# Altium PCB Fujin_Body.PcbDoc (part 2 of 2)
Units mm, origin at the board's own origin, x right, y up, seen from the top; angles counter-clockwise.
Board outline 80 x 120 mm, 2 copper layers (Top Layer, Bottom Layer), stack 1.095 mm thick; 108 components, 87 nets, 400 pads, 139 vias.
Unrouted connection lines stored in the file: 10.
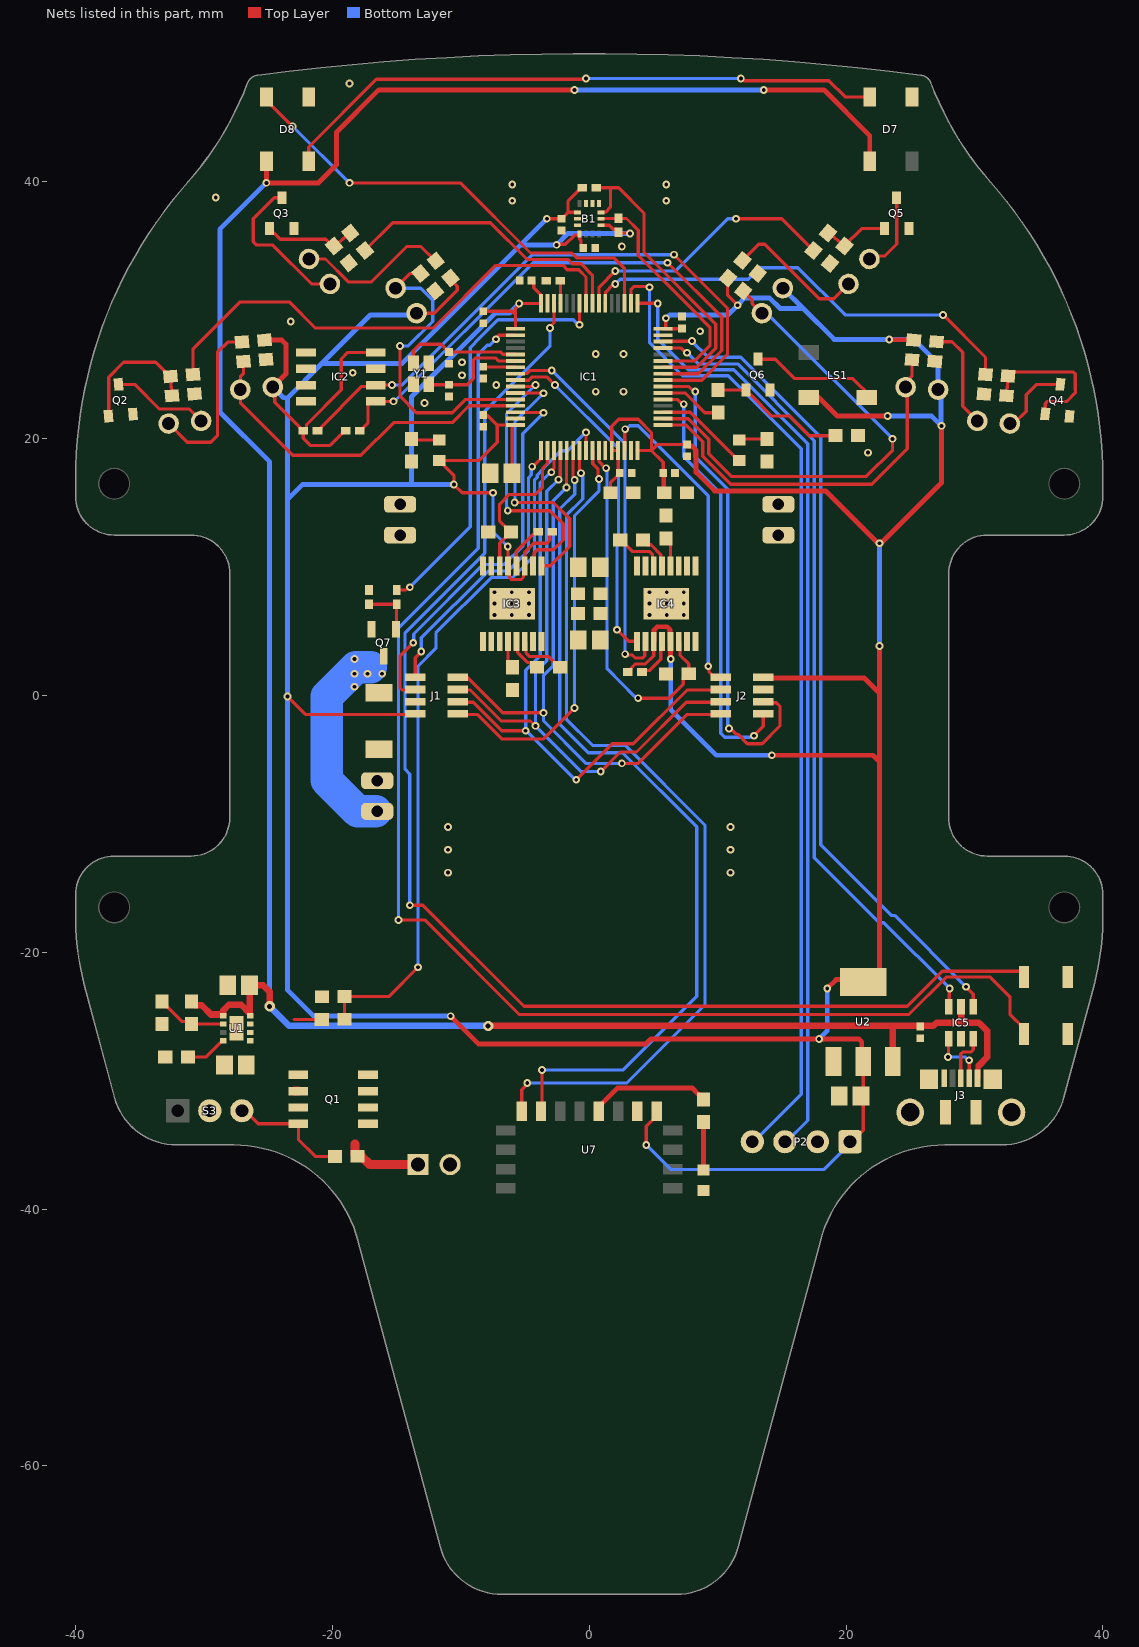
[diagram p2: the nets of this part, all layers, seen from the top]

## Via types
v1: diameter 0.6, hole 0.3, Top Layer to Bottom Layer, tented both sides, 137 vias
v2: diameter 0.8, hole 0.4, Top Layer to Bottom Layer, tented both sides, 2 vias

## Nets (pads, with @x,y where several pads share a name; then routed paths per layer and width w, separated by ;. In a path a pad name is that pad's centre, name@x,y a point inside that pad or via, vN(x,y) a via of type N, cw(c..) or ccw(c..) an arc to the next point about the centre after c; other vN are vias at no path point)
3V3: B1.5 B1.8 B1.12 C3.2 C7.2 C8.2 C9.2 C10.2 C11.2 C12.2 C13.2 C14.2 C15.2 C16.2 C18.2 C19.2 D2.1 IC1.1 IC1.16 IC1.28 IC1.29 IC1.32 IC1.48 IC1.64 IC2.8 IC3.3 IC3.5 IC4.3 IC4.5 J1.5 J2.5 LS1.1 P2.1 R9.2 R10.2 R11.2 R12.2 R27.2 R28.2 R30.2 R31.2 R32.2 R34.2 U2.2 U3.2 U4.2 U5.2 U6.2 U7.8 | length 468.8
  Top Layer w0.254: U3.2@-24.642,24.028 -24.488,23.873 -24.488,22.847 -22.515,20.874 -22.515,20.799 -22.342,20.626 R30.2@-22.267,20.626 ; v1(-23.495,-0.075) -22.103,-1.467 J1.5@-13.55,-1.467 ; R31.2@-18.965,20.626 -19.04,20.626 -20.183,19.483 -21.717,19.483 -22.267,20.033 R30.2@-22.267,20.626 ; IC2.8@-17.227,26.722 -18.796,26.722 -19.304,26.214 -19.304,23.801 -22.02,21.085 -22.02,20.799 -22.193,20.626 R30.2@-22.267,20.626 ; U4.2@-13.448,29.781 -12.071,29.781 -10.287,31.566 -10.287,31.875 -10.859,32.446 R10.2@-10.859,32.518 ; D2.1@-11.684,18.302 D2.1@-11.634,18.302 ; C14.2@-8.255,21.848 -7.953,21.848 -7.172,21.067 ; C7.2@-8.255,29.928 -6.023,29.928 -5.738,29.643 ; v1(-7.493,15.8) -9.906,15.8 v1(-10.541,16.435) -10.541,17.159 -10.736,17.353 -11.336,17.954 -11.336,18.004 D2.1@-11.634,18.302 ; v1(-6.345,11.609) -6.335,11.599 -6.335,10.112 IC3.5@-6.325,10.102 -6.23,10.007 -6.23,9.228 -6.037,9.034 -5.313,9.034 -5.12,9.228 -5.12,10.007 IC3.3@-5.025,10.102 -5.025,11.156 -4.318,11.863 -3.302,11.863 -3.094,12.071 -3.094,12.579 -2.921,12.752 R32.2@-2.879,12.752 ; C12.2@-6.008,17.324 IC1.16@-6.008,21.044 ; IC1.16@-5.738,21.067 -7.172,21.067 ; IC1.1@-5.738,28.567 -5.738,29.643 ; C15.2@-4.349,32.31 -4.313,32.274 -4.313,31.768 -3.773,31.227 -3.773,30.578 IC1.64@-3.75,30.555 -3.773,30.532 v1(-5.461,30.532) -5.461,30.438 -5.738,30.161 -5.738,29.643 ; v1(-3.302,37.136) C19.2@-2.159,37.136 -2.149,37.136 -1.649,37.636 ; v1(-2.54,35.104) -2.494,35.15 -1.859,35.15 -1.143,35.866 -0.773,35.866 -0.73,35.823 -0.73,35.524 -0.633,35.427 -0.633,35.023 C18.2@-0.46,34.85 ; B1.5@-0.9,37.636 -1.649,37.636 ; R27.2@-0.55,39.549 -0.625,39.549 -1.649,38.525 -1.649,37.636 ; B1.12@0.9,36.636 1.556,36.636 1.866,36.326 2.113,36.326 2.286,36.153 R28.2@2.286,36.078 2.329,36.035 3.131,36.035 v1(3.174,35.992) ; C8.2@1.651,15.8 1.651,16.593 1.84,16.782 1.85,16.782 2.382,17.314 C9.2@2.382,17.324 2.27,17.436 2.27,19.059 IC1.29@2.25,19.079 IC1.28@1.75,19.079 1.75,20.979 2.286,21.515 3.81,21.515 4.849,20.476 4.849,19.079 ; R34.2@3.006,1.83 3.081,1.83 3.254,2.003 3.254,2.12 3.594,2.46 4.378,2.46 5.025,3.107 IC4.3@5.025,4.226 ; IC1.32@3.75,19.079 4.849,19.079 ; v1(4.445,-35) 4.445,-33.548 5.25,-32.743 U7.8@5.25,-32.381 ; IC1.48@5.738,28.567 IC1.48@5.946,28.567 ; C11.2@5.763,17.324 5.763,18.165 4.849,19.079 ; v1(5.969,29.389) 5.969,28.59 IC1.48@5.946,28.567 ; C13.2@7.354,28.567 IC1.48@5.946,28.567 ; C16.2@7.62,19.562 5.332,19.562 4.849,19.079 ; R12.2@10.809,32.518 10.776,32.486 10.776,31.186 v1(11.557,30.405) ; P2.1@20.32,-34.873 21.336,-33.857 21.336,-29.488 U2.2@21.527,-29.298 ; D2.1@-11.634,18.302 -8.597,18.302 -7.172,19.727 -7.172,21.067
  Top Layer w0.381: R9.2@-25.276,27.681 -23.933,27.681 -23.622,27.37 -23.622,25.048 U3.2@-24.642,24.028 ; v1(-10.795,-24.967) -8.636,-27.126 4.415,-27.126 4.796,-26.745 v1(17.907,-26.745) 21.005,-26.745 21.228,-26.968 21.228,-28.39 U2.2@21.336,-28.498 ; IC4.3@5.025,4.226 5.056,4.257 5.056,5.127 5.287,5.357 6.063,5.357 6.294,5.127 6.294,4.257 IC4.5@6.325,4.226 6.338,4.213 6.338,2.858 v1(6.35,2.846) ; C11.2@5.763,17.324 5.803,17.284 5.803,15.966 C10.2@5.842,15.927 ; C16.2@7.62,19.562 7.729,19.452 7.976,19.452 8.324,19.105 8.324,17.382 9.764,15.942 18.4,15.942 22.606,11.736 27.432,16.562 v1(27.432,21.007) ; J2.5@13.55,1.383 21.402,1.383 22.606,0.179 ; v1(14.224,-4.647) 22.098,-4.647 22.606,-5.155 ; LS1.1@17.689,23.217 17.889,23.217 19.337,21.769 v1(23.241,21.769) ; v1(18.542,-22.808) 19.228,-22.122 22.606,-22.122 22.606,-5.155 ; v1(22.606,3.862) 22.606,0.179 ; v1(23.368,27.738) 23.395,27.711 25.245,27.711 R11.2@25.276,27.681 ; 22.606,-5.155 22.606,0.179
  Bottom Layer w0.254: v1(-7.493,15.8) -7.493,12.757 v1(-6.345,11.609) ; v1(4.445,-35) 6.35,-36.905 18.288,-36.905 P2.1@20.32,-34.873
  Bottom Layer w0.381: U3.2@-24.642,24.028 -23.81,23.196 -23.495,23.196 ; U4.2@-13.448,29.643 -17.048,29.643 -20.815,25.876 ; v1(-10.795,-24.967) -21.463,-24.967 -23.495,-22.935 v1(-23.495,-0.075) -23.495,15.292 ; v1(-10.541,16.435) -13.843,16.435 ; v1(-5.461,30.532) -6.21,29.783 -7.328,29.783 -13.843,23.267 -13.843,16.435 ; v1(-3.302,37.136) -5.334,35.104 ; v1(3.174,35.992) -1.651,35.993 v1(-2.54,35.104) -5.334,35.104 ; v1(5.969,29.389) 6.028,29.389 6.282,29.643 10.795,29.643 v1(11.557,30.405) 12.127,30.975 14.035,30.975 14.859,30.151 16.637,30.151 16.647,30.161 ; v1(6.35,2.846) 6.35,-1.091 9.906,-4.647 v1(14.224,-4.647) ; U6.2@15.08,31.727 16.647,30.161 ; v1(17.907,-26.745) 18.542,-26.11 v1(18.542,-22.808) ; v1(22.606,3.862) v1(22.606,11.863) ; v1(23.241,21.769) 26.67,21.769 v1@27.39,21.049 ; v1(27.432,21.007) v1@27.39,21.049 ; -23.495,15.292 -23.495,23.196 ; -23.495,15.292 -22.352,16.435 -13.843,16.435 ; -23.495,23.196 -20.815,25.876 ; -20.815,25.876 -14.562,25.876 -5.334,35.104 ; 16.647,30.161 19.069,27.738 v1(23.368,27.738) 25.273,27.738 27.174,25.837 U5.2@27.174,23.828 27.39,23.612 v1@27.39,21.049
5V: C2.2 C28.2 D7.1 D8.1 IC5.5 J3.1 R1.2 U1.4 U1.5 U2.3 | length 199.6
  Top Layer w0.381: D8.1@-25.148,42.087 -25.148,39.932 v1(-25.146,39.93) -21.082,39.93 -19.685,41.327 -19.685,43.867 -16.383,47.169 v1(-1.143,47.169) ; v1(13.589,47.169) 18.288,47.169 21.85,43.607 D7.1@21.85,42.089 ; J3.1@30.243,-29.8 30.278,-29.766 30.278,-28.911 30.348,-28.84
  Top Layer w0.508: R1.2@-30.988,-23.824 -30.694,-24.118 -30.186,-24.118 -29.466,-24.838 U1.5@-28.516,-24.838 ; U1.5@-28.493,-24.838 -28.493,-24.504 -28.067,-24.078 -27.103,-24.078 -26.455,-24.726 C2.2@-26.455,-22.554 -25.4,-22.554 -24.892,-23.062 v2(-24.892,-24.205) ; v2(-7.874,-25.729) 23.622,-25.729 ; U2.3@23.647,-28.498 23.622,-28.472 23.622,-25.729 ; C28.2@25.781,-25.731 26.078,-25.731 26.08,-25.729 26.797,-25.729 27.051,-25.475 28.956,-25.475 ; C28.2@25.781,-25.729 23.622,-25.729 ; IC5.5@28.956,-24.225 28.956,-25.475 ; 30.348,-28.84 30.348,-28.811 30.988,-28.171 30.988,-26.11 30.353,-25.475 28.956,-25.475
  Bottom Layer w0.381: v1(-25.146,39.93) -28.765,36.31 -28.765,22.086 -24.892,18.213 v2(-24.892,-24.205) ; v1(-1.143,47.169) v1(13.589,47.169)
  Bottom Layer w0.508: v2(-24.892,-24.205) -23.368,-25.729 v2(-7.874,-25.729)
ADC_BAT: IC1.24 R6.1 R7.2 | length 58.2
  Top Layer w0.254: R6.1@-19.062,-25.21 -19.062,-23.455 R7.2@-19.05,-23.443 -15.621,-23.443 v1(-13.335,-21.157) ; v1(-0.254,20.499) -0.252,20.497 -0.252,19.081 IC1.24@-0.25,19.079
  Bottom Layer w0.254: v1(-13.335,-21.157) -13.335,2.286 -11.938,3.683 -11.938,4.878 -7.626,9.19 -5.975,9.19 -4.267,10.898 -4.267,16.784 -4.054,16.997 -4.054,17.175 -3.573,17.656 -3.573,17.722 -2.217,19.077 -1.676,19.077 v1(-0.254,20.499)
BLE_RX: IC1.22 U7.14 | length 66.7
  Top Layer w0.254: U7.14@-3.75,-32.381 -3.683,-32.314 v1(-3.683,-29.158) ; IC1.22@-1.25,19.079 -1.265,19.064 -1.265,17.02 -1.134,16.889 v1(-1.134,16.795)
  Bottom Layer w0.254: v1(-3.683,-29.158) 2.655,-29.158 8.382,-23.431 8.382,-10.233 2.593,-4.444 -0.076,-4.444 -2.286,-2.234 -2.286,14.53 -1.134,15.682 v1(-1.134,16.795)
BLE_TX: IC1.23 U7.15 | length 68.5
  Top Layer w0.254: U7.15@-5.25,-32.381 -5.25,-30.692 -4.826,-30.268 v1(-4.826,-30.174) ; IC1.23@-0.75,19.079 -0.75,17.533 -0.635,17.418 v1(-0.635,17.324)
  Bottom Layer w0.254: v1(-4.826,-30.174) 2.921,-30.174 9.017,-24.078 9.017,-10.108 2.794,-3.885 0.254,-3.885 -1.778,-1.853 -1.778,14.036 -0.504,15.31 -0.504,17.099 -0.635,17.23 v1(-0.635,17.324)
BOOT0: IC1.61 R8.1 | length 1.8
  Top Layer w0.254: IC1.61@-2.25,30.555 -2.23,30.575 R8.1@-2.23,32.31 ; R8.1@-2.244,32.31 -2.215,32.31 R8.1@-2.169,32.31
BTN_1: IC1.62 S1.1 | length 104.4
  Top Layer w0.254: v1(-13.97,-16.331) -12.954,-16.331 -5.08,-24.205 24.765,-24.205 27.503,-21.467 33.587,-21.467 33.86,-21.74 S1.1@33.86,-21.919 ; v1(-3.048,28.627) -3.048,28.721 -2.75,29.019 IC1.62@-2.75,30.555
  Bottom Layer w0.254: v1(-13.97,-16.331) -13.97,-6.116 -14.341,-5.744 -14.341,4.888 -8.128,11.101 -8.128,22.15 -3.048,27.23 v1(-3.048,28.627)
BTN_2: IC1.2 S2.1 | length 106.1
  Top Layer w0.254: v1(-14.859,-17.474) -12.827,-17.474 -5.461,-24.84 24.892,-24.84 27.808,-21.924 31.247,-21.924 32.766,-23.443 32.766,-24.82 33.86,-25.914 S2.1@33.86,-26.364 ; v1(-7.256,27.755) -7.256,27.849 -7.07,28.035 -7.07,28.067 IC1.2@-5.738,28.067
  Bottom Layer w0.254: v1(-14.859,-17.474) -14.859,5.249 -8.636,11.472 -8.636,26.595 -7.937,27.294 -7.758,27.294 -7.296,27.755 v1(-7.256,27.755)
BUZZER: IC1.38 R25.1 | length 4.8
  Top Layer w0.254: IC1.38@5.738,23.567 7.473,23.567 9.005,22.035 R25.1@9.917,22.035
EEPROM_SCL: IC1.40 IC2.6 R30.1 | length 48.9
  Top Layer w0.254: R30.1@-21.167,20.626 -21.092,20.626 -20.919,20.799 -20.919,20.874 -17.714,24.079 -16.822,24.079 -16.719,24.182 v1(-15.367,24.182) ; IC1.40@5.738,24.567 8.767,24.567 10.77,26.57 10.77,30.176 v1(6.604,34.342)
  Bottom Layer w0.254: v1(-15.367,24.182) -14.605,24.182 -4.445,34.342 v1(6.604,34.342)
EEPROM_SDA: IC1.41 IC2.5 R31.1 | length 44.3
  Top Layer w0.254: R31.1@-17.865,20.626 -17.79,20.626 -17.617,20.799 -17.617,20.874 -17.227,21.264 -17.227,22.912 v1(-15.24,22.912) ; IC1.41@5.738,25.067 8.505,25.067 10.312,26.874 10.312,29.491 v1(6.096,33.707)
  Bottom Layer w0.254: v1(-15.24,22.912) -15.166,22.912 -4.371,33.707 v1(6.096,33.707)
ENC_1_A: IC1.14 J1.7 | length 30.5
  Top Layer w0.254: v1(-13.711,4.116) -14.732,3.095 -14.732,0.582 -14.583,0.433 J1.7@-13.55,0.433 ; IC1.14@-5.738,22.067 -5.718,22.047 -3.58,22.047 v1(-3.555,22.022)
  Bottom Layer w0.254: v1(-13.711,4.116) -13.67,4.157 -13.67,4.797 -8.255,10.212 -6.604,10.212 -5.182,11.634 -5.182,20.395 v1@-3.556,22.021
ENC_1_B: IC1.17 J1.8 | length 22.7
  Top Layer w0.254: J1.8@-13.55,1.383 -13.55,2.96 -13.082,3.428 v1(-13.082,3.43) ; v1(-4.445,17.832) -4.409,17.832 -3.75,18.491 IC1.17@-3.75,19.079
  Bottom Layer w0.254: v1(-13.082,3.43) -13.081,3.431 -13.081,4.497 -7.88,9.698 -6.356,9.698 -4.724,11.33 -4.724,16.974 -4.511,17.187 -4.511,17.766 v1(-4.445,17.832)
ENC_2_A: IC1.39 J2.7 | length 38
  Top Layer w0.254: IC1.39@5.738,24.067 7.771,24.067 8.162,23.675 v1(8.256,23.675) ; v1(10.879,-2.559) 10.993,-2.559 11.423,-2.989 11.494,-2.989 11.589,-3.028 12.319,-3.758 13.462,-3.758 14.859,-2.361 14.859,-0.843 14.582,-0.566 13.599,-0.566 J2.7@13.55,-0.517
  Bottom Layer w0.254: v1(8.256,23.675) 8.256,18.593 10.795,16.054 10.795,-2.234 10.812,-2.251 10.812,-2.492 v1(10.879,-2.559)
ENC_2_B: IC1.37 J2.8 | length 33.3
  Top Layer w0.254: IC1.37@5.738,23.067 6.857,23.067 7.16,22.763 7.3,22.763 v1(7.366,22.697) ; v1(12.827,-3.123) 13.55,-2.4 J2.8@13.55,-1.467
  Bottom Layer w0.254: v1(7.366,22.697) 7.366,18.594 10.248,15.712 10.248,-2.936 10.563,-3.25 12.505,-3.25 12.566,-3.189 12.761,-3.189 v1(12.827,-3.123)
GND: B1.1 B1.2 B1.3 B1.6 B1.7 C1.1 C2.1 C3.1 C4.1 C5.1 C6.1 C7.1 C8.1 C9.1 C10.1 C11.1 C12.1 C13.1 C14.1 C15.1 C16.1 C17.1 C18.1 C19.1 C22.1 C23.1 C26.1 C27.1 C28.1 D7.3 D8.3 D9.2 IC1.15 IC1.27 IC1.31 IC1.47 IC1.63 IC2.1 IC2.2 IC2.3 IC2.4 IC2.7 IC3.7 IC3.9 IC3.15 IC3.16 IC3.17 IC4.7 IC4.9 IC4.15 IC4.16 IC4.17 IC5.2 J1.6 J2.6 J3.5 J3.MH1 J3.MH2 J3.MP1 J3.MP2 J3.MP3 J3.MP4 P1.2 P2.2 Q2.2 Q3.2 Q4.2 Q5.2 Q6.2 Q7.2 R3.1 R4.1 R5.1 R7.1 R8.2 R17.1 R18.1 R19.1 R20.1 R21.1 R22.1 R23.1 R24.1 R26.1 R33.1 R35.1 R37.1 S1.2 S2.2 S3.2 U1.3 U1.9 U2.1 U7.9 Y1.2 Y1.4
  other v1: -11,-13.791 11,-13.791 -11,-12.013 11,-12.013 -11,-10.235 11,-10.235 -7.366,6.275 -6.032,6.275 -4.699,6.275 4.699,6.275 6.032,6.275 7.366,6.275 -7.366,7.164 -6.032,7.164 -4.699,7.164 4.699,7.164 6.032,7.164 7.366,7.164 -7.366,8.053 -6.032,8.053 -4.699,8.053 4.699,8.053 6.032,8.053 7.366,8.053 21.717,18.923 -12.827,22.785 0.508,23.674 2.667,23.674 -7.239,24.182 -9.906,24.944 -18.415,25.146 -9.906,25.96 0.508,26.595 2.667,26.595 8.636,28.373 -23.241,29.135 2.54,34.977 -6,38.533 6,38.533 -29.083,38.787 -6,39.803 6,39.803 -18.669,47.677
I2C2_SCL: B1.13 IC1.43 R28.1 | length 18.8
  Top Layer w0.254: B1.13@0.9,37.136 0.92,37.156 R28.1@2.264,37.156 ; R28.1@2.286,37.178 R28.1@2.264,37.156 ; IC1.43@5.738,26.067 8.212,26.067 9.398,27.253 9.398,28.686 8.006,30.078 8.006,30.08 3.81,34.276 3.81,36.247 2.901,37.156 R28.1@2.264,37.156
I2C2_SDA: B1.14 IC1.42 R27.1 | length 24.5
  Top Layer w0.254: R27.1@0.55,39.549 1.651,39.549 ; B1.14@0.9,37.636 0.923,37.659 1.285,37.659 1.651,38.025 1.651,39.549 ; IC1.42@5.738,25.567 8.358,25.567 9.652,26.861 9.855,27.064 9.855,28.932 4.267,34.52 4.267,37.568 2.286,39.549 1.651,39.549
LED: D1.1 IC1.35 | length 7.5
  Top Layer w0.254: IC1.35@5.738,22.067 7.869,22.067 11.634,18.302 D1.1@11.684,18.302
LED_L_F: IC1.57 R13.2 | length 39.4
  Top Layer w0.254: R13.2@-30.864,25.014 -30.864,26.973 -27.178,30.659 -23.368,30.659 -21.336,28.627 -12.14,28.627 -7.263,33.504 -2.032,33.504 -1.702,33.174 -0.823,33.174 -0.25,32.601 IC1.57@-0.25,30.555
LED_L_S: IC1.56 R14.2 | length 22.5
  Top Layer w0.254: R14.2@-17.463,34.677 -15.308,36.831 -7.696,36.831 -4.826,33.961 -1.651,33.961 -1.321,33.631 -0.633,33.631 0.25,32.748 IC1.56@0.25,30.555
LED_R_F: IC1.54 R15.2 | length 35.5
  Top Layer w0.254: IC1.54@1.25,30.555 1.27,30.575 1.27,31.429 1.83,31.99 1.966,31.99 v1(2.032,32.056) ; v1(27.559,29.643) 30.864,26.338 R15.2@30.864,25.014
  Bottom Layer w0.254: v1(2.032,32.056) 2.407,32.431 3.296,32.431 3.297,32.432 12.395,32.432 13.289,33.326 16.256,33.326 19.939,29.643 v1(27.559,29.643)
LED_R_S: IC1.55 R16.2 | length 21.2
  Top Layer w0.254: IC1.55@0.75,30.555 0.77,30.575 0.77,31.81 v1(2.032,33.072) ; v1(11.43,37.136) 15.004,37.136 R16.2@17.463,34.677
  Bottom Layer w0.254: v1(2.032,33.072) 6.731,33.072 10.795,37.136 v1(11.43,37.136)
MOT1_A: IC3.8 P3.1
MOT1_ADC: IC1.18 IC3.6 R33.2 | length 12
  Top Layer w0.254: IC3.6@-6.975,10.102 -6.975,11.873 -6.519,12.329 -6.519,12.379 -6.146,12.752 R33.2@-6.096,12.752 ; R33.2@-6.477,13.083 -6.519,13.125 -6.985,13.591 -6.985,14.911 -6.228,15.668 -4.196,15.668 -3.637,16.227 -3.637,17.72 -3.25,18.107 IC1.18@-3.25,19.079
MOT1_B: IC3.10 P3.2
MOT1_DIR: IC1.10 IC3.2 | length 22.1
  Top Layer w0.254: v1(-6.35,14.403) -3.07,14.403 -2.032,13.365 -2.032,12.117 -2.794,11.355 -4.064,11.355 -4.28,11.139 -4.28,10.197 IC3.2@-4.375,10.102 ; IC1.10@-5.738,24.067 -4.405,24.067 -4.285,24.187 v1(-4.191,24.187)
  Bottom Layer w0.254: v1(-6.35,14.403) -6.416,14.469 -6.416,14.751 -6.442,14.777 -6.442,21.936 v1(-4.191,24.187)
MOT1_PWM: IC1.11 IC3.1 | length 21.4
  Top Layer w0.254: v1(-5.812,15.038) -2.794,15.038 -1.524,13.768 -1.524,11.609 -3.031,10.102 IC3.1@-3.725,10.102 ; IC1.11@-5.738,23.567 -5.728,23.557 -3.571,23.557 v1(-3.561,23.547)
  Bottom Layer w0.254: v1(-5.812,15.038) -5.786,15.063 -5.786,21.321 v1(-3.561,23.547)
MOT2_A: IC4.8 P4.1
MOT2_ADC: IC1.26 IC4.6 R35.2 | length 28.5
  Top Layer w0.254: IC1.26@0.75,19.079 0.77,19.059 0.77,18.205 1.259,17.715 v1(1.316,17.715) ; v1(3.81,-0.202) 6.223,-0.202 7.324,0.899 7.324,1.33 7.697,1.703 R35.2@7.747,1.703 7.747,2.465 7.07,3.142 7.07,4.131 IC4.6@6.975,4.226
  Bottom Layer w0.254: v1(1.316,17.715) 1.383,17.649 1.383,17.404 1.387,17.4 1.387,2.094 2.502,0.979 3.519,-0.038 3.552,-0.038 3.716,-0.202 v1(3.81,-0.202)
MOT2_B: IC4.10 P4.2
MOT2_DIR: IC1.8 IC4.2 | length 30.3
  Top Layer w0.254: IC1.8@-5.738,25.067 -5.718,25.087 -4.829,25.087 -4.591,25.325 v1(-2.921,25.325) ; v1(2.794,3.227) 2.86,3.161 3.361,3.161 3.604,2.917 4.135,2.917 4.325,3.107 4.325,4.086 4.28,4.131 IC4.2@4.375,4.226
  Bottom Layer w0.254: v1@-2.92,25.326 2.794,19.612 v1(2.794,3.227)
MOT2_PWM: IC1.9 IC4.1 | length 26.5
  Top Layer w0.254: IC1.9@-5.738,24.567 -4.702,24.567 -4.452,24.817 -3.302,24.817 v1(-2.667,24.182) ; v1(2.164,5.132) 3.07,4.226 IC4.1@3.725,4.226
  Bottom Layer w0.254: v1(-2.667,24.182) 2.286,19.229 2.286,12.288 2.164,12.166 v1(2.164,5.132)
MOT_FAN: IC1.58 R36.1 | length 33
  Top Layer w0.254: R36.1@-14.986,8.222 -14.276,8.222 -14.064,8.434 v1(-13.97,8.434) ; v1(-0.762,28.881) -0.756,28.887 -0.756,30.549 IC1.58@-0.75,30.555
  Bottom Layer w0.254: v1(-13.97,8.434) -9.271,13.133 -9.271,27.103 -8.509,27.865 -7.112,29.262 -1.237,29.262 -0.856,28.881 v1(-0.762,28.881)
NetC4_2: C4.2 U1.8 | length 3.2
  Top Layer w0.254: C4.2@-31.242,-28.142 -29.821,-28.142 -28.566,-26.887 U1.8@-28.516,-26.887
NetC20_1: C20.1 IC3.14 | length 4
  Top Layer w0.254: IC3.14@-5.025,4.226 -4.93,4.131 -4.93,3.352 -4.62,3.041 -3.166,3.041 -2.336,2.211 C20.1@-2.286,2.211
NetC20_2: C20.2 IC3.13 | length 2.9
  Top Layer w0.254: IC3.13@-5.675,4.226 -5.58,4.131 -5.58,3.352 -4.812,2.584 -4.437,2.584 C20.2@-4.064,2.211
NetC21_1: C21.1 IC3.12 | length 2.2
  Top Layer w0.254: IC3.12@-6.325,4.226 -6.325,2.567 C21.1@-5.969,2.211
NetC24_1: C24.1 IC4.14 | length 3.9
  Top Layer w0.254: C24.1@2.413,12.117 2.463,12.117 3.352,11.228 4.678,11.228 4.93,10.976 4.93,10.197 IC4.14@5.025,10.102
NetC24_2: C24.2 IC4.13 | length 2.8
  Top Layer w0.254: C24.2@4.191,12.117 4.564,11.744 4.812,11.744 5.58,10.976 5.58,10.197 IC4.13@5.675,10.102
NetC25_1: C25.1 IC4.12 | length 2.3
  Top Layer w0.254: C25.1@5.969,12.244 6.325,11.888 IC4.12@6.325,10.102
NetD1_2: D1.2 R4.2 | length 2.2
  Top Layer w0.254: D1.2@11.684,19.902 11.773,19.991 R4.2@13.843,19.991
NetD2_2: D2.2 R5.2 | length 2.2
  Top Layer w0.254: R5.2@-13.843,19.991 -13.754,19.902 D2.2@-11.684,19.902
NetD3_1: D3.1 R9.1 | length 13.3
  Top Layer w0.254: D3.1@-32.758,21.189 -31.306,19.737 -29.464,19.737 -28.956,20.245 -28.956,26.722 -28.147,27.531 R9.1@-27.035,27.531
NetD3_2: D3.2 Q2.3 | length 7.6
  Top Layer w0.254: Q2.3@-36.67,24.235 -35.402,24.235 -33.486,22.319 -31.157,22.319 D3.2@-30.226,21.388
NetD4_1: D4.1 R10.1 | length 12.3
  Top Layer w0.254: D4.1@-21.825,34.002 -20.54,34.002 -18.796,32.258 -18.796,32.205 -16.996,32.205 -14.224,34.977 -13.115,34.977 -12.002,33.864 R10.1@-12.002,33.916
NetD4_2: D4.2 Q3.3 | length 12
  Top Layer w0.254: Q3.3@-23.942,38.774 -24.524,38.774 -26.162,37.136 -26.162,35.358 -25.891,35.087 -24.638,35.087 -21.607,32.056 D4.2@-20.193,32.056
NetD5_1: D5.1 R11.1 | length 8.2
  Top Layer w0.254: R11.1@27.037,27.553 28.252,27.553 29.083,26.722 29.083,22.531 D5.1@30.226,21.388
NetD5_2: D5.2 Q4.3 | length 5.9
  Top Layer w0.254: D5.2@32.758,21.188 33.074,21.188 34.036,22.15 34.036,23.42 34.849,24.233 Q4.3@36.691,24.233
NetD6_1: D6.1 R12.1 | length 11
  Top Layer w0.254: R12.1@11.935,33.878 13.208,35.151 13.669,35.151 17.907,30.913 19.05,30.913 D6.1@20.193,32.056
NetD6_2: D6.2 Q5.3 | length 6.2
  Top Layer w0.254: D6.2@21.825,34.002 22.058,34.234 23.006,34.234 23.942,35.17 Q5.3@23.942,38.774
NetD7_4: D7.4 D8.2 | length 47.6
  Top Layer w0.254: D8.2@-21.845,41.621 -21.845,42.723 -16.576,47.992 -0.32,47.992 v1(-0.254,48.058) ; v1(11.811,48.058) 11.905,48.058 12.084,47.879 18.669,47.879 19.927,46.621 D7.4@21.845,46.621
  Bottom Layer w0.254: v1(-0.254,48.058) v1(11.811,48.058)
NetD9_1: D9.1 R29.1 | length 3.7
  Top Layer w0.381: D9.1@8.89,-36.956 R29.1@8.89,-33.21
NetD10_2: D10.2 P5.2 Q7.3 | length 15.7
  Bottom Layer w2.54: -17.018,2.211 -18.161,2.211 -18.986,1.385 -20.447,-0.075 -20.447,-6.605 -18.03,-9.022 P5.2@-16.637,-9.022
  other v1: -18.288,0.687 -18.288,1.703 -17.272,1.703 -16.129,1.703 -18.288,2.846
NetIC3_4: IC3.4 R32.1 | length 3.5
  Top Layer w0.254: IC3.4@-5.675,10.102 -5.675,11.225 -4.269,12.631 -4.269,12.706 -4.096,12.879 R32.1@-4.021,12.879
NetIC4_4: IC4.4 R34.1 | length 3.3
  Top Layer w0.254: R34.1@4.106,1.83 4.226,1.95 4.692,1.95 5.58,2.838 5.58,4.131 IC4.4@5.675,4.226
NetIC5_1: IC5.1 J3.2 | length 4.2
  Top Layer w0.254: v1(27.94,-28.142) 27.973,-28.109 27.973,-27.139 IC5.1@28.006,-27.106 ; v1(29.591,-28.396) v1(29.591,-28.396) 29.592,-29.799 J3.2@29.593,-29.8
  Bottom Layer w0.254: v1(27.94,-28.142) 29.243,-28.142 29.497,-28.396 v1(29.591,-28.396)
NetIC5_3: IC5.3 J3.3 | length 3.8
  Top Layer w0.254: J3.3@28.943,-29.8 28.943,-27.91 29.092,-27.761 29.718,-27.761 29.906,-27.573 IC5.3@29.906,-26.725
NetLS1_2: LS1.2 Q6.3 | length 10.3
  Top Layer w0.254: Q6.3@13.142,26.201 14.491,26.201 16.002,24.69 20.516,24.69 21.989,23.217 LS1.2@22.189,23.217
NetQ1_2: Q1.2 R2.2 S3.3 | length 9.2
  Top Layer w0.254: S3.3@-26.788,-32.333 -25.772,-33.349 Q1.2@-22.651,-33.349 -22.651,-34.574 -21.336,-35.889 R2.2@-19.812,-35.889
  Top Layer w0.381: S3.3@-26.837,-32.333 S3.3@-26.788,-32.333
NetQ2_1: Q2.1 R13.1 R21.2 | length 10.3
  Top Layer w0.254: Q2.1@-37.429,21.768 -37.429,24.803 -36.272,25.96 -33.777,25.96 -32.609,24.792 -32.609,24.678 -32.595,24.492 -32.535,23.722 R21.2@-32.509,23.35
NetQ3_1: Q3.1 R14.1 R22.2 | length 7.3
  Top Layer w0.254: Q3.1@-24.892,36.374 -24.892,36.224 -24.669,36.001 -24.519,36.001 -24.062,35.544 -20.52,35.544 -19.999,35.023 R22.2@-19.875,35.023 -19.565,35.233 -18.899,35.792 R14.1@-18.606,36.023
NetQ4_1: Q4.1 R15.1 R23.2 | length 11.9
  Top Layer w0.254: R23.2@32.509,23.35 32.537,23.722 32.6,24.514 R15.1@32.625,24.886 32.937,25.198 37.697,25.198 37.846,25.049 37.846,23.801 37.868,23.779 37.868,23.569 37.211,22.912 35.687,22.912 35.515,22.74 Q4.1@35.515,21.936
NetQ5_1: Q5.1 R16.1 R24.2 | length 5.3
  Top Layer w0.254: R16.1@18.589,36.037 18.9,35.827 19.582,35.254 R24.2@19.875,35.023 19.875,35.04 21.209,36.374 Q5.1@22.992,36.374
NetQ6_1: Q6.1 R25.2 R26.2 | length 10.7
  Top Layer w0.254: R25.2@10.087,23.801 Q6.1@12.192,23.801 12.192,23.651 12.415,23.428 12.565,23.428 14.224,21.769 15.621,21.769 17.145,20.245 R26.2@19.177,20.245
NetQ7_1: Q7.1 R36.2 R37.2 | length 4.1
  Top Layer w0.254: R37.2@-17.145,7.122 R36.2@-14.986,7.122 -15.019,7.089 -15.019,5.199 Q7.1@-15.052,5.166
NetR1_1: R1.1 R3.2 U1.6 | length 5.5
  Top Layer w0.254: R3.2@-33.274,-23.824 -33.274,-23.874 -32.901,-24.247 -32.851,-24.247 -31.709,-25.389 -31.178,-25.389 R1.1@-30.977,-25.59 -30.974,-25.587 U1.6@-28.516,-25.587
NetR29_2: R29.2 U7.11 | length 10
  Top Layer w0.381: U7.11@0.75,-32.381 0.75,-32.019 2.214,-30.555 8.001,-30.555 R29.2@8.53,-31.084 ; R29.2@8.53,-31.084 R29.2@8.89,-31.444 8.89,-31.394 8.58,-31.084 R29.2@8.53,-31.084
NRST: C17.2 IC1.7 | length 2.6
  Top Layer w0.254: C17.2@-8.255,25.706 -8.136,25.587 -5.758,25.587 IC1.7@-5.738,25.567
OSC_IN: C5.2 IC1.5 Y1.1 | length 9.5
  Top Layer w0.254: Y1.1@-13.698,25.884 -13.698,26.867 -13.208,27.357 -11.536,27.357 -10.932,26.753 C5.2@-10.922,26.753 -6.889,26.753 -6.723,26.587 -5.758,26.587 IC1.5@-5.738,26.567
OSC_OUT: C6.2 IC1.6 Y1.3 | length 8.6
  Top Layer w0.254: Y1.3@-12.498,24.258 -12.453,24.213 C6.2@-10.922,24.213 -9.494,24.213 -9.017,24.69 -9.017,26.118 -8.839,26.296 -7.301,26.296 -7.072,26.067 IC1.6@-5.738,26.067
SEN_L_F: IC1.13 R17.2 U3.1 | length 28
  Top Layer w0.254: R17.2@-26.921,26.017 -26.921,25.095 -27.155,24.861 -27.155,23.847 U3.1@-27.174,23.828 -27.167,23.822 -27.167,22.796 -23.092,18.721 -17.78,18.721 -15.24,21.261 -10.668,21.261 -9.362,22.567 IC1.13@-5.738,22.567
SEN_L_S: IC1.12 R18.2 U4.1 | length 24.6
  Top Layer w0.254: U4.1@-15.08,31.727 -13.926,32.881 -13.179,32.881 -13.162,32.864 R18.2@-13.144,32.864 ; v1(-14.732,27.23) -14.732,23.295 -13.46,22.023 -10.668,22.023 -9.624,23.067 IC1.12@-5.738,23.067
  Bottom Layer w0.254: U4.1@-15.08,31.727 -13.133,31.727 -12.192,30.786 -12.192,29.135 -14.097,27.23 v1(-14.732,27.23)
SEN_R_F: IC1.33 R19.2 U5.1 | length 29.9
  Top Layer w0.254: IC1.33@5.738,21.067 7.56,21.067 8.844,19.783 8.844,18.628 11.01,16.462 21.998,16.462 24.765,19.229 U5.1@24.765,24.028 ; U5.1@24.642,24.028 24.642,24.392 25.146,24.896 25.146,26.154 R19.2@25.149,26.157 R19.2@25.115,26.157
SEN_R_S: IC1.34 R20.2 U6.1 | length 38.7
  Top Layer w0.254: IC1.34@5.738,21.567 7.707,21.567 9.302,19.972 9.302,18.817 11.049,17.07 21.59,17.07 23.622,19.102 v1(23.622,19.991) ; R20.2@12.002,31.502 12.002,31.484 12.7,30.786 12.7,30.529 U6.1@13.448,29.781
  Bottom Layer w0.254: U6.1@13.448,29.781 13.832,29.781 v1(23.622,19.991)
SPI_CLK: IC1.19 J1.2 J2.2 | length 49
  Top Layer w0.254: J1.2@-10.55,-0.517 -9.035,-0.517 -6.81,-2.742 v1@-5.189,-2.742 ; v1(-2.949,17.389) -2.949,17.482 -2.75,17.681 IC1.19@-2.75,19.079 ; v1(-1.016,-6.552) -1.011,-6.552 1.783,-3.758 3.434,-3.758 7.625,0.433 J2.2@10.55,0.433
  Bottom Layer w0.254: v1(-2.949,17.389) -3.016,17.389 -3.81,16.595 -3.81,3.1 -4.953,1.957 v1(-4.953,-2.742) -4.89,-2.742 -1.08,-6.552 v1(-1.016,-6.552)
SPI_CS_1: IC1.25 J1.1 | length 32.2
  Top Layer w0.254: J1.1@-10.55,-1.467 -8.732,-1.467 -6.822,-3.377 -3.556,-3.377 v1(-1.143,-0.964) ; IC1.25@0.25,19.079 0.27,19.059 0.27,18.058 0.691,17.637 0.691,16.937 v1(0.757,16.871)
  Bottom Layer w0.254: v1(-1.143,-0.964) -1.143,14.024 0.757,15.924 v1(0.757,16.871)
SPI_CS_2: IC1.30 J2.1 | length 25.4
  Top Layer w0.254: IC1.30@2.75,19.079 2.77,19.099 2.77,20.729 v1(2.794,20.753) ; v1(9.271,2.286) 9.337,2.22 9.337,1.838 9.75,1.425 J2.1@10.25,1.425 ; J2.1@10.512,1.411 J2.1@10.517,1.416
  Bottom Layer w0.254: v1(2.794,20.753) 2.888,20.753 3.142,21.007 3.81,21.007 9.271,15.546 v1(9.271,2.286)
SPI_MISO: IC1.20 J1.3 J2.3 | length 48.2
  Top Layer w0.254: J1.3@-10.55,0.433 -9.271,0.433 -6.858,-1.98 -4.572,-1.98 v1(-4.191,-2.361) ; v1(-2.394,16.816) -2.394,16.91 -2.25,17.054 IC1.20@-2.25,19.079 ; v1(0.894,-5.917) 2.418,-4.393 3.683,-4.393 7.559,-0.517 J2.3@10.55,-0.517
  Bottom Layer w0.254: v1(-2.394,16.816) -3.302,15.908 -3.302,2.719 -4.191,1.83 v1(-4.191,-2.361) -0.635,-5.917 v1(0.894,-5.917)
SPI_MOSI: IC1.21 J1.4 J2.4 | length 47
  Top Layer w0.254: J1.4@-10.55,1.383 -9.459,1.383 -6.731,-1.345 v1(-3.556,-1.345) ; v1(-1.778,16.2) -1.764,16.214 -1.764,19.065 IC1.21@-1.75,19.079 ; v1(2.54,-5.282) 3.81,-5.282 7.625,-1.467 J2.4@10.55,-1.467
  Bottom Layer w0.254: v1(-1.778,16.2) -2.794,15.184 -2.794,2.338 -3.556,1.576 v1(-3.556,-1.345) -3.556,-1.98 -0.254,-5.282 v1(2.54,-5.282)
SWCLK: IC1.50 P2.4 | length 77.9
  Top Layer w0.254: IC1.50@3.25,30.555 3.25,31.623 3.495,31.868 4.633,31.868 v1(4.699,31.802)
  Bottom Layer w0.254: v1(4.699,31.802) 4.699,27.484 7.264,24.919 10.82,24.919 16.51,19.229 16.51,-31.063 P2.4@12.7,-34.873
SWDIO: IC1.49 P2.3 | length 74.7
  Top Layer w0.254: IC1.49@3.75,30.555 4.525,30.555 4.526,30.554 5.312,30.554 v1(5.334,30.532)
  Bottom Layer w0.254: v1(5.334,30.532) 5.334,27.747 7.705,25.376 11.261,25.376 17.018,19.619 17.018,-33.095 P2.3@15.24,-34.873
USB_D+: IC1.46 IC5.4 | length 64.8
  Top Layer w0.254: IC1.46@5.738,27.567 5.758,27.587 7.977,27.587 v1(8.001,27.611) ; v1(29.337,-22.681) 29.906,-23.25 IC5.4@29.906,-24.225
  Bottom Layer w0.254: v1(8.001,27.611) 9.271,26.341 11.811,26.341 18.034,20.118 18.034,-11.632 23.525,-17.123 23.779,-17.123 v1(29.337,-22.681)
USB_D-: IC1.45 IC5.6 | length 63.5
  Top Layer w0.254: IC1.45@5.738,27.067 7.157,27.067 7.526,26.697 v1(7.62,26.697) ; IC5.6@28.006,-24.606 IC5.6@28.037,-24.575 ; IC5.6@28.006,-24.225 28.036,-24.195 28.036,-22.839 v1(28.067,-22.808)
  Bottom Layer w0.254: v1(7.62,26.697) 8.484,25.833 11.557,25.833 17.526,19.864 17.526,-12.648 22.573,-17.695 22.954,-17.695 v1(28.067,-22.808)
VBAT: P1.1 Q1.1 R2.1 | length 6
  Top Layer w0.381: R2.1@-18.046,-35.878 R2.1@-17.996,-35.878
  Top Layer w0.711: Q1.1@-22.905,-30.809 Q1.1@-22.651,-30.809 ; -18.24,-34.921 -18.24,-35.733 -18.096,-35.878 R2.1@-18.046,-35.878 ; R2.1@-17.742,-35.878 -17.096,-36.524 P1.1@-13.335,-36.524
VCC: C1.2 C21.2 C22.2 C23.2 C25.2 C26.2 C27.2 D10.1 IC3.11 IC4.11 P5.1 Q1.3 R6.2 U1.1 U1.2 | length 2.6
  Top Layer w0.254: C1.2@-26.709,-28.677 C1.2@-26.709,-28.383 ; -22.987,-25.221 R6.2@-20.828,-25.221
  Top Layer w0.711: C1.2@-26.709,-28.777 C1.2@-26.709,-28.677
WS2812_IN1: D8.4 IC1.51 | length 36
  Top Layer w0.254: D8.4@-25.15,46.376 -23.114,44.34 v1(-23.114,44.323) ; v1(-18.669,39.93) -10.033,39.93 -4.572,34.469 -1.346,34.469 -0.965,34.088 1.907,34.088 2.75,33.245 IC1.51@2.75,30.555
  Bottom Layer w0.254: v1(-23.114,44.323) -23.088,44.323 -18.695,39.93 v1(-18.669,39.93)
pads on no net: B1.4 B1.9 B1.10 B1.11 D7.2 IC1.3 IC1.4 IC1.36 IC1.44 IC1.52 IC1.53 IC1.59 IC1.60 J3.4 LS1.3 S3.1 U1.7 U7.4 U7.5 U7.6 U7.7 U7.10 U7.12 U7.13 U7.16 U7.17 U7.18 U7.19

## Polygon pours and split planes (outlines as drawn)
GND on Top Layer "NONET_L01_P028" (solid, remove dead copper, shelved, pour order 28): -36.974,-31.294 -39.319,-22.543 cw(c-20,-17.367) -40,-17.367 -40,-15.5 cw(c-37,-15.5) -37,-12.5 -31,-12.5 ccw(c-31,-9.5) -28,-9.5 -28,9.5 ccw(c-31,9.5) -31,12.5 -37,12.5 cw(c-37,15.5) -40,15.5 -40,16.85 cw(c-5,16.85) -31.25,40 ccw(c-50,56.536) -26.617,47.69 cw(c-25.682,47.336) -25.811,48.327 cw(c0,-150) 25.811,48.327 cw(c25.682,47.336) 26.617,47.69 ccw(c50,56.536) 31.25,40 cw(c5,16.85) 40,16.85 40,15.5 cw(c37,15.5) 37,12.5 31,12.5 ccw(c31,9.5) 28,9.5 28,-9.5 ccw(c31,-9.5) 31,-12.5 37,-12.5 cw(c37,-15.5) 40,-15.5 40,-17.367 cw(c20,-17.367) 39.319,-22.543 36.974,-31.294 cw(c32.144,-30) 32.144,-35 27.673,-35 ccw(c27.673,-45) 18.014,-42.412 11.615,-66.294 cw(c6.785,-65) 6.785,-70 -6.785,-70 cw(c-6.785,-65) -11.615,-66.294 -18.014,-42.412 ccw(c-27.673,-45) -27.673,-35 -32.144,-35 cw(c-32.144,-30)
NetD10_2 on Top Layer "NONET_L01_P027" (solid, shelved, pour order 27): -15.367,3.862 -19.304,3.862 -19.304,-0.456 -15.367,-0.456
VCC on Top Layer "NONET_L01_P025" (solid, shelved, pour order 25): -24.384,-6.425 -21.717,-3.377 -9.144,-3.377 -8.509,-4.012 -3.429,-4.012 -3.429,-6.171 -12.7,-6.171 -14.097,-7.568 -23.241,-7.568
MOT1_A on Top Layer "NONET_L01_P024" (solid, shelved, pour order 24): -15.367,15.419 -15.367,14.403 -12.7,14.403 -8.636,10.339 -8.636,9.323 -8.001,9.323 -8.001,10.974 -8.763,11.736 -12.446,15.419
VCC on Top Layer "NONET_L01_P022" (solid, shelved, pour order 22): -22.606,-21.411 -22.606,-6.425 -24.384,-6.425 -24.384,-20.268 -24.384,-22.808 -22.606,-22.808
VCC on Top Layer "NONET_L01_P021" (solid, shelved, pour order 21): -6.785,5.005 -6.785,1.068 0.127,1.068 0.127,-0.329 -7.239,-0.329 -7.239,5.005
MOT1_B on Top Layer "NONET_L01_P020" (solid, shelved, pour order 20): -7.366,5.005 -7.366,2.465 -10.668,2.465 -12.7,4.497 -12.7,11.355 -13.208,11.863 -15.494,11.863 -15.494,12.879 -15.621,13.006 -12.954,13.006 -11.684,11.736 -11.684,4.878 -10.033,3.227 -7.874,3.227 -7.874,4.878 -8.001,5.005
VCC on Top Layer "NONET_L01_P019" (solid, shelved, pour order 19): 0,7.418 0,13.514 1.016,14.53 7.239,14.53 7.239,9.323 6.731,9.323 6.731,13.006 1.651,13.006 1.397,12.752 1.397,7.418
VBAT on Top Layer "NONET_L01_P018" (solid, shelved, pour order 18): -20.193,-29.031 -20.193,-29.793 -22.733,-29.793 -22.733,-29.031
VBAT on Top Layer "NONET_L01_P017" (solid, shelved, pour order 17): -20.574,-33.222 -19.558,-34.238 -20.574,-34.238
VBAT on Top Layer "NONET_L01_P016" (solid, shelved, pour order 16): -20.193,-29.031 -23.495,-29.031 -23.495,-32.333 -19.939,-35.127 -19.05,-35.127 -18.796,-35.381 -18.796,-36.651 -18.161,-37.286 -12.7,-37.286 -12.7,-35.889 -12.827,-35.762 -16.764,-35.762 -18.415,-34.111 -20.193,-34.111
VCC on Top Layer "NONET_L01_P015" (solid, shelved, pour order 15): -25.908,-28.015 -26.924,-28.015 -26.924,-29.539 -25.908,-29.539
VCC on Top Layer "NONET_L01_P008" (solid, shelved, pour order 8): -16.383,-29.285 -16.383,-28.015 -16.764,-27.634 -20.828,-27.634 -22.606,-25.856 -22.606,-22.046 -24.384,-22.046 -24.384,-25.856 -24.511,-25.983 -26.797,-25.983 -26.797,-29.539 -25.146,-29.539 -24.765,-29.158 -24.765,-28.523 -19.05,-28.523 -18.288,-29.285
VCC on Top Layer "NONET_L01_P007" (solid, shelved, pour order 7): -19.431,-33.73 -16.383,-33.73 -16.383,-28.396 -19.431,-28.396
VCC on Top Layer "NONET_L01_P005" (solid, shelved, pour order 5): 0,7.418 0,-0.583 -3.556,-4.139 -3.556,-6.292 1.524,-1.332 1.524,7.418
MOT2_B on Top Layer "NONET_L01_P003" (solid, shelved, pour order 3): 7.874,11.355 10.922,14.403 15.367,14.403 15.367,15.419 10.541,15.419 7.366,12.244 7.366,9.577 7.874,9.577
MOT2_A on Top Layer "NONET_L01_P002" (solid, shelved, pour order 2): 8.001,4.878 8.001,2.846 13.462,2.846 15.367,4.751 15.367,13.133 14.224,13.133 14.224,5.005 12.954,3.735 8.509,3.735 8.509,4.878
GND on Bottom Layer "NONET_L02_P029" (solid, shelved, pour order 29): -36.974,-31.294 -39.319,-22.543 cw(c-20,-17.367) -40,-17.367 -40,-15.5 cw(c-37,-15.5) -37,-12.5 -31,-12.5 ccw(c-31,-9.5) -28,-9.5 -28,9.5 ccw(c-31,9.5) -31,12.5 -37,12.5 cw(c-37,15.5) -40,15.5 -40,16.85 cw(c-5,16.85) -31.25,40 ccw(c-50,56.536) -26.617,47.69 cw(c-25.682,47.336) -25.811,48.327 cw(c0,-150) 25.811,48.327 cw(c25.682,47.336) 26.617,47.69 ccw(c50,56.536) 31.25,40 cw(c5,16.85) 40,16.85 40,15.5 cw(c37,15.5) 37,12.5 31,12.5 ccw(c31,9.5) 28,9.5 28,-9.5 ccw(c31,-9.5) 31,-12.5 37,-12.5 cw(c37,-15.5) 40,-15.5 40,-17.367 cw(c20,-17.367) 39.319,-22.543 36.974,-31.294 cw(c32.144,-30) 32.144,-35 27.673,-35 ccw(c27.673,-45) 18.014,-42.412 11.615,-66.294 cw(c6.785,-65) 6.785,-70 -6.785,-70 cw(c-6.785,-65) -11.615,-66.294 -18.014,-42.412 ccw(c-27.673,-45) -27.673,-35 -32.144,-35 cw(c-32.144,-30)

## Other copper
Top Layer:
  pour cut-out: 35,-16.5 ccw(c37,-16.5) 37,-18.5 ccw(c37,-16.5) 39,-16.5 ccw(c37,-16.5) 37,-14.5 ccw(c37,-16.5)
  pour cut-out: 37,14.5 cw(c37,16.5) 35,16.5 cw(c37,16.5) 37,18.5 cw(c37,16.5) 39,16.5 cw(c37,16.5)
  pour cut-out: -37,14.5 cw(c-37,16.5) -39,16.5 cw(c-37,16.5) -37,18.5 cw(c-37,16.5) -35,16.5 cw(c-37,16.5)
  pour cut-out: -37,-18.5 cw(c-37,-16.5) -39,-16.5 cw(c-37,-16.5) -37,-14.5 cw(c-37,-16.5) -35,-16.5 cw(c-37,-16.5)
Bottom Layer:
  pour cut-out: 35,-16.5 ccw(c37,-16.5) 37,-18.5 ccw(c37,-16.5) 39,-16.5 ccw(c37,-16.5) 37,-14.5 ccw(c37,-16.5)
  pour cut-out: 37,14.5 cw(c37,16.5) 35,16.5 cw(c37,16.5) 37,18.5 cw(c37,16.5) 39,16.5 cw(c37,16.5)
  pour cut-out: -37,14.5 cw(c-37,16.5) -39,16.5 cw(c-37,16.5) -37,18.5 cw(c-37,16.5) -35,16.5 cw(c-37,16.5)
  pour cut-out: -37,-18.5 cw(c-37,-16.5) -39,-16.5 cw(c-37,-16.5) -37,-14.5 cw(c-37,-16.5) -35,-16.5 cw(c-37,-16.5)

## Silkscreen, mask and mechanical layers (free items; w line width, h text height)
Top Overlay:
  circle w0.254: c-24.511,-32.333 r0.539
  region: 0,49.657 -1.016,48.641 1.016,48.641
  lines w0.254: -35.433,-32.206 -34.417,-32.206 ; -15.621,-30.988 -14.605,-30.988 ; -15.113,-31.496 -15.113,-30.48 ; -9.525,-30.988 -8.509,-30.988
  text "ENC1" at -13.897,5.661 h1
  text "ENC2" at 10.487,5.661 h1
  text "CLK" at 12.265,-36.47 h1 r270
  text "DIO" at 14.424,-36.47 h1 r270
  text "GND" at 16.583,-36.47 h1 r270
  text "3V" at 18.742,-36.47 h1 r270
Mechanical 1:
  circle w0.1: c0,-15 r7.5
  lines w0.1: -40,-17.367 ccw(c-20,-17.367) -39.319,-22.543 -36.974,-31.294 ccw(c-32.144,-30) -32.144,-35 -27.673,-35 cw(c-27.673,-45) -18.014,-42.412 -11.615,-66.294 ccw(c-6.785,-65) -6.785,-70 6.785,-70 ccw(c6.785,-65) 11.615,-66.294 18.014,-42.412 cw(c27.673,-45) 27.673,-35 32.144,-35 ccw(c32.144,-30) 36.974,-31.294 39.319,-22.543 ccw(c20,-17.367) 40,-17.367 40,-15.5 ccw(c37,-15.5) 37,-12.5 31,-12.5 cw(c31,-9.5) 28,-9.5 28,9.5 cw(c31,9.5) 31,12.5 37,12.5 ccw(c37,15.5) 40,15.5 40,16.85 ccw(c5,16.85) 31.25,40 cw(c50,56.536) 26.617,47.69 ccw(c25.682,47.336) 25.811,48.327 ccw(c0,-150) -25.811,48.327 ccw(c-25.682,47.336) -26.617,47.69 cw(c-50,56.536) -31.25,40 ccw(c-5,16.85) -40,16.85 -40,15.5 ccw(c-37,15.5) -37,12.5 -31,12.5 cw(c-31,9.5) -28,9.5 -28,-9.5 cw(c-31,-9.5) -31,-12.5 -37,-12.5 ccw(c-37,-15.5) -40,-15.5 -40,-17.367 ; -18.319,42.779 ccw(c-17.5,42.205) -17.409,41.209 cw(c0,-150) 17.409,41.209 ccw(c17.5,42.205) 18.319,42.779 16.823,44.916 ccw(c16.004,44.342) 16.086,45.339 ccw(c0,-150) -16.086,45.339 ccw(c-16.003,44.342) -16.823,44.916 -18.319,42.779 ; -13.845,-42.518 cw(c-11.913,-42) -11.913,-40 11.913,-40 cw(c11.913,-42) 13.845,-42.518 7.751,-65.259 cw(c6.785,-65) 6.785,-66 -6.785,-66 cw(c-6.785,-65) -7.751,-65.259 -13.845,-42.518 ; -12.5,-2.15 ccw(c-11.9,-2.15) -11.3,-2.15 -11.3,2.15 ccw(c-11.9,2.15) -12.5,2.15 -12.5,-2.15 ; 11.3,-2.15 ccw(c11.9,-2.15) 12.5,-2.15 12.5,2.15 ccw(c11.9,2.15) 11.3,2.15 11.3,-2.15
Mechanical 20:
  circle w0.1: c37,-16.5 r2
  circle w0.1: c-37,16.5 r2
  circle w0.1: c-37,-16.5 r2
  circle w0.1: c37,16.5 r2